# Allegro board MB1219_REVB_160112.brd (continued)
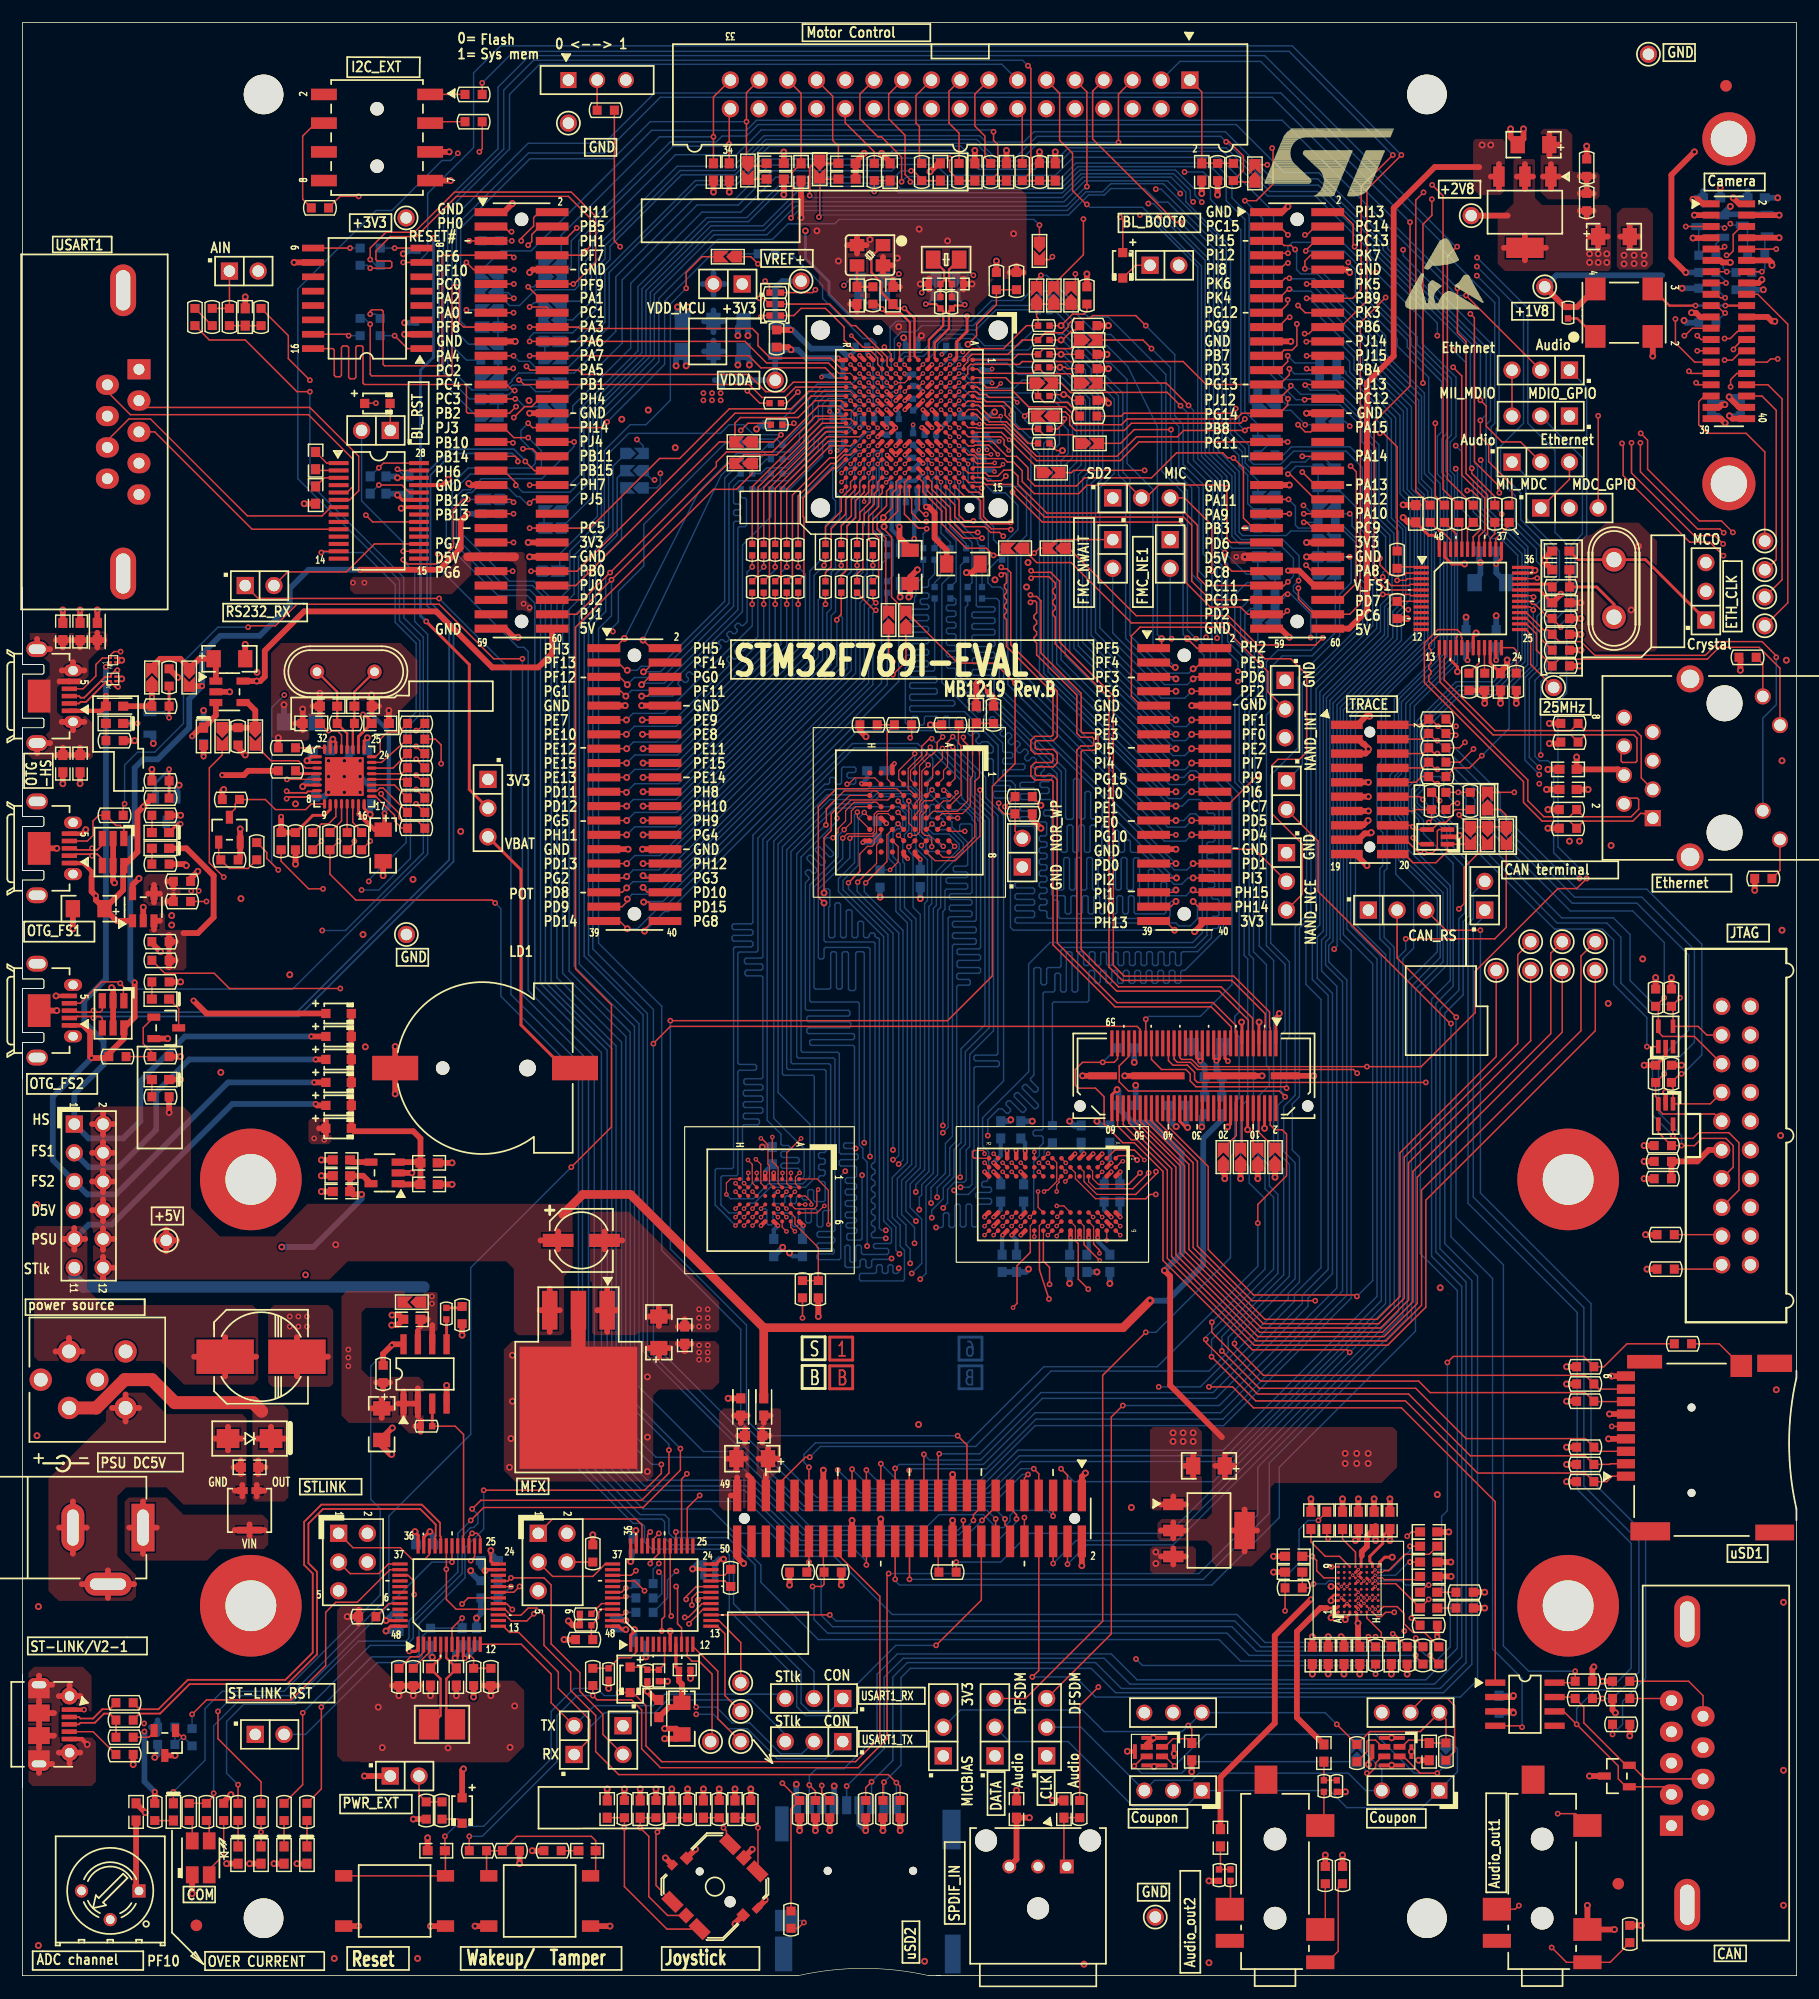
[diagram p0: board, top side]
## Footprints (pads in the part's own frame, mm; a bottom-side part is the same pattern mirrored in y, then rotated) (continued)
BNX001
  round 1.981 hole 1.219: 1(2.5,2.5) 2(-2.5,2.5) 3(2.5,-2.5) 4(0,0) 5(5,0) 6(-2.5,-2.5)
C310M-6
  rect 5.08x3.048 smd: 1(3.175,0) 2(-3.175,0)
CAE_5R3X5R3_H5R4
  rect 2.718x1.168 smd: 1(-2.05,0) 2(2.05,0)
CLM-120-02-L-D
  rect 0.61x1.499 smd: 1(-9.5,-1.57) 2(-9.5,1.57) 3(-8.5,-1.57) 4(-8.5,1.57) 5(-7.5,-1.57) 6(-7.5,1.57) 7(-6.5,-1.57) 8(-6.5,1.57) 9(-5.5,-1.57) 10(-5.5,1.57) 11(-4.5,-1.57) 12(-4.5,1.57) 13(-3.5,-1.57) 14(-3.5,1.57) 15(-2.5,-1.57) 16(-2.5,1.57) 17(-1.5,-1.57) 18(-1.5,1.57) 19(-0.5,-1.57) 20(-0.5,1.57) 21(0.5,-1.57) 22(0.5,1.57) 23(1.5,-1.57) 24(1.5,1.57) 25(2.5,-1.57) 26(2.5,1.57) 27(3.5,-1.57) 28(3.5,1.57) 29(4.5,-1.57) 30(4.5,1.57) 31(5.5,-1.57) 32(5.5,1.57) 33(6.5,-1.57) 34(6.5,1.57) 35(7.5,-1.57) 36(7.5,1.57) 37(8.5,-1.57) 38(8.5,1.57) 39(9.5,-1.57) 40(9.5,1.57)
  round 4.699 hole 3.2: 41(-15.249,0) 42(15.25,0)
CONN_DLR11H0
  round 1.956 hole 1.956 unplated: (-7.14,2.3) (-2.54,-3.7) (2.06,2.3)
  rect 1.219x1.219 hole 0.813: 1(0,0)
  round 1.219 hole 0.813: 2(-2.54,0) 3(-5.08,0)
COUPON
  rect 1.422x1.422 hole 1.016: 1(-3.444,-2.54)
  round 1.422 hole 1.016: 2(-3.444,0) 3(-3.444,2.54) 4(3.447,-2.54) 5(3.447,0) 6(3.447,2.54)
DB9_M
  rect 1.778x2.032 hole 0.965: 1(5.537,0)
  oval 1.778x2.032 hole 0.965: 2(2.769,0) 3(0,0) 4(-2.769,0) 5(-5.537,0) 6(4.166,2.794) 7(1.397,2.794) 8(-1.372,2.794) 9(-4.14,2.794)
  oval 4.572x2.286 hole 3.556x1.27: 10(-12.522,1.397) 11(12.522,1.397)
FBGA64_1_11X13
  round 0.457 smd: A1(-3.5,3.5) A2(-2.5,3.5) A3(-1.5,3.5) A4(-0.5,3.5) A5(0.5,3.5) A6(1.5,3.5) A7(2.5,3.5) A8(3.5,3.5) B1(-3.5,2.5) B2(-2.5,2.5) B3(-1.5,2.5) B4(-0.5,2.5) B5(0.5,2.5) B6(1.5,2.5) B7(2.5,2.5) B8(3.5,2.5) C1(-3.5,1.5) C2(-2.5,1.5) C3(-1.5,1.5) C4(-0.5,1.5) C5(0.5,1.5) C6(1.5,1.5) C7(2.5,1.5) C8(3.5,1.5) D1(-3.5,0.5) D2(-2.5,0.5) D3(-1.5,0.5) D4(-0.5,0.5) D5(0.5,0.5) D6(1.5,0.5) D7(2.5,0.5) D8(3.5,0.5) E1(-3.5,-0.5) E2(-2.5,-0.5) E3(-1.5,-0.5) E4(-0.5,-0.5) E5(0.5,-0.5) E6(1.5,-0.5) E7(2.5,-0.5) E8(3.5,-0.5) F1(-3.5,-1.5) F2(-2.5,-1.5) F3(-1.5,-1.5) F4(-0.5,-1.5) F5(0.5,-1.5) F6(1.5,-1.5) F7(2.5,-1.5) F8(3.5,-1.5) G1(-3.5,-2.5) G2(-2.5,-2.5) G3(-1.5,-2.5) G4(-0.5,-2.5) G5(0.5,-2.5) G6(1.5,-2.5) G7(2.5,-2.5) G8(3.5,-2.5) H1(-3.5,-3.5) H2(-2.5,-3.5) H3(-1.5,-3.5) H4(-0.5,-3.5) H5(0.5,-3.5) H6(1.5,-3.5) H7(2.5,-3.5) H8(3.5,-3.5)
FBGA90_0R8_8X13
  round 0.406 smd: A1(-3.2,5.6) A2(-2.4,5.6) A3(-1.6,5.6) A7(1.6,5.6) A8(2.4,5.6) A9(3.2,5.6) B1(-3.2,4.8) B2(-2.4,4.8) B3(-1.6,4.8) B7(1.6,4.8) B8(2.4,4.8) B9(3.2,4.8) C1(-3.2,4) C2(-2.4,4) C3(-1.6,4) C7(1.6,4) C8(2.4,4) C9(3.2,4) D1(-3.2,3.2) D2(-2.4,3.2) D3(-1.6,3.2) D7(1.6,3.2) D8(2.4,3.2) D9(3.2,3.2) E1(-3.2,2.4) E2(-2.4,2.4) E3(-1.6,2.4) E7(1.6,2.4) E8(2.4,2.4) E9(3.2,2.4) F1(-3.2,1.6) F2(-2.4,1.6) F3(-1.6,1.6) F7(1.6,1.6) F8(2.4,1.6) F9(3.2,1.6) G1(-3.2,0.8) G2(-2.4,0.8) G3(-1.6,0.8) G7(1.6,0.8) G8(2.4,0.8) G9(3.2,0.8) H1(-3.2,0) H2(-2.4,0) H3(-1.6,0) H7(1.6,0) H8(2.4,0) H9(3.2,0) J1(-3.2,-0.8) J2(-2.4,-0.8) J3(-1.6,-0.8) J7(1.6,-0.8) J8(2.4,-0.8) J9(3.2,-0.8) K1(-3.2,-1.6) K2(-2.4,-1.6) K3(-1.6,-1.6) K7(1.6,-1.6) K8(2.4,-1.6) K9(3.2,-1.6) L1(-3.2,-2.4) L2(-2.4,-2.4) L3(-1.6,-2.4) L7(1.6,-2.4) L8(2.4,-2.4) L9(3.2,-2.4) M1(-3.2,-3.2) M2(-2.4,-3.2) M3(-1.6,-3.2) M7(1.6,-3.2) M8(2.4,-3.2) M9(3.2,-3.2) N1(-3.2,-4) N2(-2.4,-4) N3(-1.6,-4) N7(1.6,-4) N8(2.4,-4) N9(3.2,-4) P1(-3.2,-4.8) P2(-2.4,-4.8) P3(-1.6,-4.8) P7(1.6,-4.8) P8(2.4,-4.8) P9(3.2,-4.8) R1(-3.2,-5.6) R2(-2.4,-5.6) R3(-1.6,-5.6) R7(1.6,-5.6) R8(2.4,-5.6) R9(3.2,-5.6)
FTR-120-53-L-D-LC
  round 1.194 hole 1.194 unplated: (-11.43,0) (11.43,0)
  rect 0.711x2.896 smd: 1(-12.065,-2.705) 2(-12.065,2.705) 3(-10.795,-2.705) 4(-10.795,2.705) 5(-9.525,-2.705) 6(-9.525,2.705) 7(-8.255,-2.705) 8(-8.255,2.705) 9(-6.985,-2.705) 10(-6.985,2.705) 11(-5.715,-2.705) 12(-5.715,2.705) 13(-4.445,-2.705) 14(-4.445,2.705) 15(-3.175,-2.705) 16(-3.175,2.705) 17(-1.905,-2.705) 18(-1.905,2.705) 19(-0.635,-2.705) 20(-0.635,2.705) 21(0.635,-2.705) 22(0.635,2.705) 23(1.905,-2.705) 24(1.905,2.705) 25(3.175,-2.705) 26(3.175,2.705) 27(4.445,-2.705) 28(4.445,2.705) 29(5.715,-2.705) 30(5.715,2.705) 31(6.985,-2.705) 32(6.985,2.705) 33(8.255,-2.705) 34(8.255,2.705) 35(9.525,-2.705) 36(9.525,2.705) 37(10.795,-2.705) 38(10.795,2.705) 39(12.065,-2.705) 40(12.065,2.705)
FTR-130-53-L-D-LC
  round 1.194 hole 1.194 unplated: (-17.78,0) (17.78,0)
  rect 0.711x2.896 smd: 1(-18.415,-2.705) 2(-18.415,2.705) 3(-17.145,-2.705) 4(-17.145,2.705) 5(-15.875,-2.705) 6(-15.875,2.705) 7(-14.605,-2.705) 8(-14.605,2.705) 9(-13.335,-2.705) 10(-13.335,2.705) 11(-12.065,-2.705) 12(-12.065,2.705) 13(-10.795,-2.705) 14(-10.795,2.705) 15(-9.525,-2.705) 16(-9.525,2.705) 17(-8.255,-2.705) 18(-8.255,2.705) 19(-6.985,-2.705) 20(-6.985,2.705) 21(-5.715,-2.705) 22(-5.715,2.705) 23(-4.445,-2.705) 24(-4.445,2.705) 25(-3.175,-2.705) 26(-3.175,2.705) 27(-1.905,-2.705) 28(-1.905,2.705) 29(-0.635,-2.705) 30(-0.635,2.705) 31(0.635,-2.705) 32(0.635,2.705) 33(1.905,-2.705) 34(1.905,2.705) 35(3.175,-2.705) 36(3.175,2.705) 37(4.445,-2.705) 38(4.445,2.705) 39(5.715,-2.705) 40(5.715,2.705) 41(6.985,-2.705) 42(6.985,2.705) 43(8.255,-2.705) 44(8.255,2.705) 45(9.525,-2.705) 46(9.525,2.705) 47(10.795,-2.705) 48(10.795,2.705) 49(12.065,-2.705) 50(12.065,2.705) 51(13.335,-2.705) 52(13.335,2.705) 53(14.605,-2.705) 54(14.605,2.705) 55(15.875,-2.705) 56(15.875,2.705) 57(17.145,-2.705) 58(17.145,2.705) 59(18.415,-2.705) 60(18.415,2.705)
FTSH-110-01-L-DV
  round 0.965 hole 0.965 unplated: (-5.08,0) (5.08,0)
  rect 0.737x2.794 smd: 1(-5.715,-2.03) 2(-5.715,2.03) 3(-4.445,-2.03) 4(-4.445,2.03) 5(-3.175,-2.03) 6(-3.175,2.03) 7(-1.905,-2.03) 8(-1.905,2.03) 9(-0.635,-2.03) 10(-0.635,2.03) 11(0.635,-2.03) 12(0.635,2.03) 13(1.905,-2.03) 14(1.905,2.03) 15(3.175,-2.03) 16(3.175,2.03) 17(4.445,-2.03) 18(4.445,2.03) 19(5.715,-2.03) 20(5.715,2.03)
FTSH-125-01-F-DV
  round 0.965 hole 0.965 unplated: (-14.605,0) (14.605,0)
  rect 0.737x2.794 smd: 1(-15.24,-2.03) 2(-15.24,2.03) 3(-13.97,-2.03) 4(-13.97,2.03) 5(-12.7,-2.03) 6(-12.7,2.03) 7(-11.43,-2.03) 8(-11.43,2.03) 9(-10.16,-2.03) 10(-10.16,2.03) 11(-8.89,-2.03) 12(-8.89,2.03) 13(-7.62,-2.03) 14(-7.62,2.03) 15(-6.35,-2.03) 16(-6.35,2.03) 17(-5.08,-2.03) 18(-5.08,2.03) 19(-3.81,-2.03) 20(-3.81,2.03) 21(-2.54,-2.03) 22(-2.54,2.03) 23(-1.27,-2.03) 24(-1.27,2.03) 25(0,-2.03) 26(0,2.03) 27(1.27,-2.03) 28(1.27,2.03) 29(2.54,-2.03) 30(2.54,2.03) 31(3.81,-2.03) 32(3.81,2.03) 33(5.08,-2.03) 34(5.08,2.03) 35(6.35,-2.03) 36(6.35,2.03) 37(7.62,-2.03) 38(7.62,2.03) 39(8.89,-2.03) 40(8.89,2.03) 41(10.16,-2.03) 42(10.16,2.03) 43(11.43,-2.03) 44(11.43,2.03) 45(12.7,-2.03) 46(12.7,2.03) 47(13.97,-2.03) 48(13.97,2.03) 49(15.24,-2.03) 50(15.24,2.03)
HDR_2X3-1_2R54-6
  rect 1.524x1.524 hole 1.016: 1(0,0)
  round 1.524 hole 1.016: 2(0,2.54) 3(2.54,0) 4(2.54,2.54) 5(5.08,0)
HDR_2X6_2R54
  rect 1.524x1.524 hole 1.016: 1(0,0)
  round 1.524 hole 1.016: 2(0,2.54) 3(2.54,0) 4(2.54,2.54) 5(5.08,0) 6(5.08,2.54) 7(7.62,0) 8(7.62,2.54) 9(10.16,0) 10(10.16,2.54) 11(12.7,0) 12(12.7,2.54)
HOLE_C9D4R5
  round 8.992 hole 4.496: 1(0,0)
IDC20S
  round 1.524 hole 1.016: 1(0,0) 2(2.54,0) 3(0,-2.54) 4(2.54,-2.54) 5(0,-5.08) 6(2.54,-5.08) 7(0,-7.62) 8(2.54,-7.62) 9(0,-10.16) 10(2.54,-10.16) 11(0,-12.7) 12(2.54,-12.7) 13(0,-15.24) 14(2.54,-15.24) 15(0,-17.78) 16(2.54,-17.78) 17(0,-20.32) 18(2.54,-20.32) 19(0,-22.86) 20(2.54,-22.86)
IDC34S
  rect 1.524x1.524 hole 1.016: 1(0,0)
  round 1.524 hole 1.016: 2(2.54,0) 3(0,-2.54) 4(2.54,-2.54) 5(0,-5.08) 6(2.54,-5.08) 7(0,-7.62) 8(2.54,-7.62) 9(0,-10.16) 10(2.54,-10.16) 11(0,-12.7) 12(2.54,-12.7) 13(0,-15.24) 14(2.54,-15.24) 15(0,-17.78) 16(2.54,-17.78) 17(0,-20.32) 18(2.54,-20.32) 19(0,-22.86) 20(2.54,-22.86) 21(0,-25.4) 22(2.54,-25.4) 23(0,-27.94) 24(2.54,-27.94) 25(0,-30.48) 26(2.54,-30.48) 27(0,-33.02) 28(2.54,-33.02) 29(0,-35.56) 30(2.54,-35.56) 31(0,-38.1) 32(2.54,-38.1) 33(0,-40.64) 34(2.54,-40.64)
LED2_3528
  rect 1.118x1.499 smd: 1(-0.75,-1.5) 2(-0.75,1.5) 3(0.75,1.5) 4(0.75,-1.5)
LQFP48_0R5_9X9
  rect 1.346x0.279 smd: 1(-4.35,2.75) 2(-4.35,2.25) 3(-4.35,1.75) 4(-4.35,1.25) 5(-4.35,0.75) 6(-4.35,0.25) 7(-4.35,-0.25) 8(-4.35,-0.75) 9(-4.35,-1.25) 10(-4.35,-1.75) 11(-4.35,-2.25) 12(-4.35,-2.75) 25(4.35,-2.75) 26(4.35,-2.25) 27(4.35,-1.75) 28(4.35,-1.25) 29(4.35,-0.75) 30(4.35,-0.25) 31(4.35,0.25) 32(4.35,0.75) 33(4.35,1.25) 34(4.35,1.75) 35(4.35,2.25) 36(4.35,2.75)
  rect 0.279x1.346 smd: 13(-2.75,-4.35) 14(-2.25,-4.35) 15(-1.75,-4.35) 16(-1.25,-4.35) 17(-0.75,-4.35) 18(-0.25,-4.35) 19(0.25,-4.35) 20(0.75,-4.35) 21(1.25,-4.35) 22(1.75,-4.35) 23(2.25,-4.35) 24(2.75,-4.35) 37(2.75,4.35) 38(2.25,4.35) 39(1.75,4.35) 40(1.25,4.35) 41(0.75,4.35) 42(0.25,4.35) 43(-0.25,4.35) 44(-0.75,4.35) 45(-1.25,4.35) 46(-1.75,4.35) 47(-2.25,4.35) 48(-2.75,4.35)
MICRO_USB_B_105017
  rect 0.406x1.346 smd: 1(-1.3,0.075) 2(-0.65,0.075) 3(0,0.075) 4(0.65,0.075) 5(1.3,0.075)
  oval 1.194x1.905 hole 0.61x1.295: 6(-3.5,-2.6) 7(3.5,-2.6)
  round 1.499 hole 0.838: 8(-2.5,0.1) 9(2.5,0.1)
  rect 1.499x1.905 smd: 10(-1,-2.6) 11(1,-2.6)
MOLEX_47590001
  rect 0.406x1.346 smd: 1(1.3,0) 2(0.65,0) 3(0,0) 4(-0.65,0) 5(-1.3,0)
  oval 1.067x1.6 hole 0.762x0.838: 6(2.275,0.325) 7(-2.275,0.325)
  oval 1.397x1.905 hole 0.838x1.499: 8(-4.15,-2.855) 9(4.15,-2.855)
  rect 2.896x2.007 smd: 10(0,-2.675)
MP34DT01TR
  rect 0.508x1.067 smd: 1(-0.425,0.675) 2(-0.425,-0.675) 3(0.425,-0.675) 4(0.425,0.675)
  round 0.152 smd: 5(-0.025,-1.753)
MSD_PJS008_
  round 0.711 hole 0.711 unplated: (0,0) (7.55,0)
  rect 0.813x1.6 smd: 1(1.475,5.8) 2(2.575,5.8) 3(3.675,5.8) 4(4.775,5.8) 5(5.875,5.8) 6(6.975,5.8) 7(8.075,5.8) 8(9.175,5.8)
  rect 0.838x1.6 smd: 9(10.325,5.8)
  rect 1.956x1.905 smd: 10(11.225,-4.4)
  rect 1.524x3.073 smd: 11(11.45,-7.35)
  rect 1.397x3.429 smd: 12(-3.503,-7.357)
  rect 1.6x3.505 smd: 13(-3.4,3.65)
  rect 1.194x3.099 smd: 14(11.6,4.15)
OSC_4SM_7X5
  rect 1.803x2.007 smd: 1(-2.54,-2.1) 2(2.54,-2.1) 3(2.54,2.1) 4(-2.54,2.1)
PB10
  rect 1.524x1.016 smd: 1(-4.5,-2.223) 2(-4.5,2.223) 3(4.5,2.223) 4(4.5,-2.223)
PJ3028B
  round 2.007 hole 2.007 unplated: (0,0) (7,0)
  rect 1.219x2.489 smd: 2(-3.9,-4) 7(-2,4)
  rect 2.007x2.489 smd: 3(-1,-4) 4(0.8,4) 6(8.2,-4)
  rect 2.489x2.007 smd: 5(12.25,0.8)
PWR_JACK_DC10
  rect 2.032x4.216 hole 1.016x3.2: 1(0,0)
  oval 4.216x2.032 hole 3.2x1.016: 2(-3.1,-5)
  oval 2.032x4.216 hole 1.016x3.2: 3(-6.2,0)
QFN32_0R5_5X5
  oval 0.864x0.279 smd: 1(-2.42,1.75) 2(-2.42,1.25) 3(-2.42,0.75) 4(-2.42,0.25) 5(-2.42,-0.25) 6(-2.42,-0.75) 7(-2.42,-1.25) 8(-2.42,-1.75) 17(2.42,-1.75) 18(2.42,-1.25) 19(2.42,-0.75) 20(2.42,-0.25) 21(2.42,0.25) 22(2.42,0.75) 23(2.42,1.25) 24(2.42,1.75)
  oval 0.279x0.864 smd: 9(-1.75,-2.42) 10(-1.25,-2.42) 11(-0.75,-2.42) 12(-0.25,-2.42) 13(0.25,-2.42) 14(0.75,-2.42) 15(1.25,-2.42) 16(1.75,-2.42) 25(1.75,2.42) 26(1.25,2.42) 27(0.75,2.42) 28(0.25,2.42) 29(-0.25,2.42) 30(-0.75,2.42) 31(-1.25,2.42) 32(-1.75,2.42)
  rect 3.429x3.429 smd: 33(0,0)
QSH-030-01-F-D-A
  round 1.016 hole 1.016 unplated: (-10.065,2.67) (10.065,2.67)
  rect 0.279x2.286 smd: 1(-7.25,-2.87) 2(-7.25,2.87) 3(-6.75,-2.87) 4(-6.75,2.87) 5(-6.25,-2.87) 6(-6.25,2.87) 7(-5.75,-2.87) 8(-5.75,2.87) 9(-5.25,-2.87) 10(-5.25,2.87) 11(-4.75,-2.87) 12(-4.75,2.87) 13(-4.25,-2.87) 14(-4.25,2.87) 15(-3.75,-2.87) 16(-3.75,2.87) 17(-3.25,-2.87) 18(-3.25,2.87) 19(-2.75,-2.87) 20(-2.75,2.87) 21(-2.25,-2.87) 22(-2.25,2.87) 23(-1.75,-2.87) 24(-1.75,2.87) 25(-1.25,-2.87) 26(-1.25,2.87) 27(-0.75,-2.87) 28(-0.75,2.87) 29(-0.25,-2.87) 30(-0.25,2.87) 31(0.25,-2.87) 32(0.25,2.87) 33(0.75,-2.87) 34(0.75,2.87) 35(1.25,-2.87) 36(1.25,2.87) 37(1.75,-2.87) 38(1.75,2.87) 39(2.25,-2.87) 40(2.25,2.87) 41(2.75,-2.87) 42(2.75,2.87) 43(3.25,-2.87) 44(3.25,2.87) 45(3.75,-2.87) 46(3.75,2.87) 47(4.25,-2.87) 48(4.25,2.87) 49(4.75,-2.87) 50(4.75,2.87) 51(5.25,-2.87) 52(5.25,2.87) 53(5.75,-2.87) 54(5.75,2.87) 55(6.25,-2.87) 56(6.25,2.87) 57(6.75,-2.87) 58(6.75,2.87) 59(7.25,-2.87) 60(7.25,2.87)
  rect 2.54x0.635 smd: 61(-8.065,0) 64(8.065,0)
  rect 4.699x0.635 smd: 62(-3.175,0) 63(3.175,0)
RJ45_J0011D01BNL
  round 3.175 hole 3.175 unplated: (-10.16,6.35) (1.27,6.35)
  rect 1.422x1.422 hole 1.016: 1(0,0)
  round 1.422 hole 1.016: 2(-1.27,-2.54) 3(-2.54,0) 4(-3.81,-2.54) 5(-5.08,0) 6(-6.35,-2.54) 7(-7.62,0) 8(-8.89,-2.54) 9(1.88,11.25) 10(-0.66,9.73) 11(-8.23,11.25) 12(-10.77,9.73)
  round 2.388 hole 1.626: 13(-12.32,3.3) 14(3.43,3.3)
SB_0603
  round 0.152 smd: 1(-0.762,0) 2(0.762,0)
SIP2
  rect 1.524x1.524 hole 1.016: 1(0,0)
  round 1.524 hole 1.016: 2(2.54,0)
SIP3
  rect 1.524x1.524 hole 1.016: 1(0,0)
  round 1.524 hole 1.016: 2(2.54,0) 3(5.08,0)
SMA
  rect 2.007x1.676 smd: 1(-1.9,0) 2(1.9,0)
SOD-323
  rect 0.813x0.813 smd: 1(-1.125,0) 2(1.125,0)
SOIC8_1R27_4R9X6
  rect 0.559x1.778 smd: 1(-1.905,-2.624) 2(-0.635,-2.624) 3(0.635,-2.624) 4(1.905,-2.624) 5(1.905,2.624) 6(0.635,2.624) 7(-0.635,2.624) 8(-1.905,2.624)
SOIC16W_1R27_10R3X10R33
  rect 0.584x1.956 smd: 1(-4.445,-4.795) 2(-3.175,-4.795) 3(-1.905,-4.795) 4(-0.635,-4.795) 5(0.635,-4.795) 6(1.905,-4.795) 7(3.175,-4.795) 8(4.445,-4.795) 9(4.445,4.795) 10(3.175,4.795) 11(1.905,4.795) 12(0.635,4.795) 13(-0.635,4.795) 14(-1.905,4.795) 15(-3.175,4.795) 16(-4.445,4.795)
SOT23-5
  rect 0.635x1.143 smd: 1(-0.95,-1.2) 2(0,-1.2) 3(0.95,-1.2) 4(0.95,1.2) 5(-0.95,1.2)
SOT23-6
  rect 0.635x1.346 smd: 1(-0.95,-1.2) 2(0,-1.2) 3(0.95,-1.2) 4(0.95,1.2) 5(0,1.2) 6(-0.95,1.2)
SOT-23
  rect 0.635x1.143 smd: 1(-0.95,-1.1) 2(0.95,-1.1) 3(0,1.1)
SOT-223
  rect 1.016x1.803 smd: 1(-2.3,-3.15) 2(0,-3.15) 3(2.3,-3.15)
  rect 3.302x1.803 smd: 4(0,3.15)
SOT-353
  rect 0.406x1.194 smd: 1(-0.65,-0.9) 2(0,-0.9) 3(0.65,-0.9) 4(0.65,0.9) 5(-0.65,0.9)
SSM-104-L-DH
  round 1.194 hole 1.194 unplated: (-2.54,0) (2.54,0)
  rect 1.016x2.286 smd: 1(3.81,-4.698) 2(3.81,4.698) 3(1.27,-4.698) 4(1.27,4.698) 5(-1.27,-4.698) 6(-1.27,4.698) 7(-3.81,-4.698) 8(-3.81,4.698)
SSOP28_0R65_10R2X7R8
  rect 0.356x1.753 smd: 1(-4.225,-3.55) 2(-3.575,-3.55) 3(-2.925,-3.55) 4(-2.275,-3.55) 5(-1.625,-3.55) 6(-0.975,-3.55) 7(-0.325,-3.55) 8(0.325,-3.55) 9(0.975,-3.55) 10(1.625,-3.55) 11(2.275,-3.55) 12(2.925,-3.55) 13(3.575,-3.55) 14(4.225,-3.55) 15(4.225,3.55) 16(3.575,3.55) 17(2.925,3.55) 18(2.275,3.55) 19(1.625,3.55) 20(0.975,3.55) 21(0.325,3.55) 22(-0.325,3.55) 23(-0.975,3.55) 24(-1.625,3.55) 25(-2.275,3.55) 26(-2.925,3.55) 27(-3.575,3.55) 28(-4.225,3.55)
SW1_3TH_2R54_10X2R5
  rect 1.422x1.422 hole 1.016: 1(0,0)
  round 1.422 hole 1.016: 2(2.54,0) 3(5.08,0)
SW-JOY
  round 0.711 hole 0.711 unplated: (0,1.9)
  round 0.991 hole 0.991 unplated: (0,-1.9)
  rect 1.016x1.778 smd: 1(-3.608,1.7) 3(-3.608,-1.7) 4(3.608,-1.7) 6(3.608,1.7)
  rect 1.016x1.016 smd: 2(-3.608,0) 5(3.608,0)
  rect 0.813x0.914 smd: 7(0,3.55) 8(0,-3.55)
  rect 0.813x0.61 smd: 9(-1.3,4) 10(1.3,-4)
TAN-A
  rect 1.27x1.524 smd: 1(1.397,0) 2(-1.397,0)
TO263-3
  rect 1.372x3.429 smd: 1(-2.54,-5) 2(0,-5) 3(2.54,-5)
  rect 10.414x10.795 smd: 4(0,3.625)
TP
  round 1.524 hole 1.016: 1(0,0)
TYCO_ZEN056V130A24LS
  rect 0.61x2.21 smd: 1(-1.745,0)
  rect 0.61x0.94 smd: 2(1.745,0.635) 3(1.745,-0.635)
unnamed#2
  round 1.016 smd: (0,0)
unnamed#3
  round 3.505 hole 3.505 unplated: (0,0)
XTAL1
  round 1.27 hole 0.762: 1(0,0) 2(-5.08,0)
XTAL_2SM_3R2X1R5
  rect 1.295x1.6 smd: 1(-1.15,0) 2(1.15,0)
XTAL_2SM_3R2X2R5_H1
  rect 1.803x2.692 smd: 1(-1.15,0) 2(1.15,0)
XTAL_4SM_3R2X2R5
  rect 1.295x1.092 smd: 1(-1.148,-0.896) 2(1.148,-0.896) 3(1.148,0.896) 4(-1.148,0.896)
XTAL_SOCKET
  round 2.108 hole 1.346: 1(0,0) 2(-5.08,0)

## Nets
+1V8: C61.1 C66.1 C68.1 C80.1 C101.1 C102.2 C152.1 CN4.1 CN4.2 CN15.60 R25.2 R236.2 R239.2 TP6.1 U19.2 U19.4 U20.D1 U20.D8 U20.G9 X3.4
+2V8: C19.1 C116.1 C117.1 CN4.39 CN4.40 R15.1 R234.2 R235.2 T4.1 T5.1 TP3.1 U2.2 U2.4
+3V3: B2.1 B2.4 C27.1 C32.2 C36.2 C44.2 C45.2 C55.1 C56.1 C67.1 C77.1 C78.1 C79.1 C95.2 C97.1 C105.1 C132.1 C142.1 C143.1 C144.1 C145.1 C146.1 C147.1 C148.1 C151.1 C153.1 C154.1 C155.1 C156.1 C157.1 C158.1 C159.1 C160.1 C161.1 C162.1 C163.1 C164.1 C165.1 C166.1 C167.1 C168.1 C170.2 C172.1 C173.2 C175.2 C178.2 C179.1 CN1.28 CN2.5 CN5.48 CN6.48 CN9.4 CN9.5 CN11.40 CN12.1 CN15.36 CN16.1 CN16.2 CN17.4 CN18.50 CN29.3 CN30.4 JP2.1 JP15.1 JP22.3 L6.1 LD1.1 LD2.1 LD3.1 LD4.1 R13.2 R17.2 R72.1 R73.2 R74.2 R75.2 R76.2 R77.2 R79.2 R80.2 R83.1 R87.1 R88.2 R90.2 R94.2 R95.1 R112.1 R114.2 R116.2 R118.1 R120.1 R126.1 R127.2 R128.2 R131.1 R133.2 R134.2 R135.2 R139.2 R141.2 R142.2 R147.2 R151.2 R153.1 R154.1 R156.1 R157.1 R158.1 R159.1 R160.1 R161.1 R170.2 R171.2 R173.1 R177.2 R180.1 R184.1 R189.2 R195.1 R196.1 R197.1 R198.1 R199.1 R200.2 R201.1 R202.1 R203.1 R204.1 R205.1 R219.1 R230.1 R233.1 R288.2 R289.2 R290.2 RV1.1 SW1.1 T1.2 TP4.1 U3.2 U5.22 U5.26 U6.22 U6.32 U6.48 U8.6 U8.16 U8.25 U8.30 U8.31 U9.D8 U9.F1 U9.G5 U15.A7 U15.B2 U15.B7 U15.C9 U15.D9 U15.E1 U15.F9 U15.L1 U15.L7 U15.M9 U15.N9 U15.P2 U15.P7 U15.R7 U16.A6 U16.D6 U16.E1 U18.2 U18.4 U19.3 U20.B2 U20.C2 U20.D2 U20.E9 U22.1 U22.24 U22.36 U22.48 U23.3
+3V3_ST_LINK: C50.2 C52.1 C169.2 C171.2 C174.2 C176.2 CN20.4 JP27.1 R212.2 R292.1 R297.2 T3.3 U14.5 U21.1 U21.9 U21.24 U21.36 U21.48
+5V: C53.1 CN1.25 CN5.60 CN6.60 D16.1 JP20.2 JP20.4 JP20.6 JP20.8 JP20.10 JP20.12 L5.1 L8.1 R140.2 TP21.1 U2.3 U7.5 U11.5 U18.3
D5V: CN5.49 CN6.49 D6.1 JP20.7
GND: B1.1 B1.4 B3.5 B3.7 B3.8 B3.9 B3.10 BT1.2 C5.2 C6.1 C7.1 C8.1 C9.1 C10.1 C11.2 C12.1 C13.1 C14.1 C15.2 C16.1 C17.2 C18.1 C19.2 C20.2 C21.2 C22.2 C23.2 C24.1 C26.1 C27.2 C28.2 C29.2 C30.2 C31.1 C32.1 C33.2 C34.2 C35.2 C36.1 C37.2 C38.2 C39.2 C40.2 C41.2 C42.2 C43.2 C44.1 C45.1 C46.2 C47.2 C48.1 C49.1 C50.1 C51.1 C52.2 C53.2 C54.1 C55.2 C56.2 C57.2 C58.2 C61.2 C63.1 C65.2 C66.2 C67.2 C68.2 C69.2 C71.1 C72.2 C73.1 C74.2 C77.2 C78.2 C79.2 C80.2 C81.2 C82.1 C83.1 C84.2 C85.2 C86.2 C87.2 C88.2 C90.1 C91.1 C92.1 C93.1 C94.1 C95.1 C96.2 C97.2 C99.1 C101.2 C102.1 C103.2 C104.2 C105.2 C106.2 C107.2 C108.1 C109.2 C110.2 C111.2 C112.1 C113.2 C114.2 C115.2 C116.2 C117.2 C118.2 C119.2 C120.2 C121.2 C122.2 C123.2 C124.2 C125.2 C126.2 C127.2 C128.2 C129.2 C130.2 C131.1 C132.2 C134.2 C135.2 C136.1 C137.2 C138.2 C139.2 C140.1 C141.2 C142.2 C143.2 C144.2 C145.2 C146.2 C147.2 C148.2 C151.2 C152.2 C153.2 C154.2 C155.2 C156.2 C157.2 C158.2 C159.2 C160.2 C161.2 C162.2 C163.2 C164.2 C165.2 C166.2 C167.2 C168.2 C169.1 C170.1 C171.1 C172.2 C173.1 C174.1 C175.1 C176.1 C177.1 C178.1 C179.2 CN1.2 CN1.4 CN1.6 CN1.8 CN1.10 CN1.12 CN1.16 CN1.18 CN1.20 CN1.22 CN1.24 CN1.30 CN1.32 CN2.7 CN3.2 CN4.3 CN4.4 CN4.7 CN4.8 CN4.11 CN4.12 CN4.16 CN4.21 CN4.22 CN4.37 CN4.38 CN4.41 CN4.42 CN5.1 CN5.10 CN5.19 CN5.30 CN5.39 CN5.50 CN5.59 CN6.1 CN6.10 CN6.19 CN6.30 CN6.39 CN6.50 CN6.59 CN7.5 CN7.10 CN7.11 CN9.8 CN9.13 CN9.14 CN10.9 CN10.10 CN10.29 CN10.30 CN11.10 CN11.29 CN12.3 CN12.5 CN12.9 CN12.11 CN12.13 CN12.15 CN12.17 CN12.19 CN13.5 CN13.6 CN13.7 CN13.8 CN13.9 CN13.10 CN14.5 CN14.6 CN14.7 CN14.8 CN14.9 CN14.10 CN15.1 CN15.6 CN15.7 CN15.12 CN15.13 CN15.18 CN15.19 CN15.61 CN15.62 CN15.63 CN15.64 CN16.4 CN16.6 CN16.8 CN16.10 CN16.12 CN16.14 CN16.16 CN16.18 CN16.20 CN17.6 CN17.9 CN18.1 CN18.2 CN18.19 CN18.20 CN18.30 CN18.34 CN18.37 CN20.2 CN21.2 CN22.5 CN22.6 CN22.7 CN22.8 CN22.9 CN22.10 CN22.11 CN24.2 CN24.5 CN25.2 CN26.3 CN26.6 CN26.10 CN26.11 CN28.3 CN29.2 CN30.6 CN30.9 D3.B1 D3.B2 D4.B1 D4.B2 D5.2 D5.5 D7.2 D7.5 D15.3 H1.1 H2.1 H3.1 H4.1 JP13.1 JP16.1 JP17.1 JP19.1 JP25.1 JP28.1 L1.1 L3.4 L3.5 L3.6 L4.1 L9.1 LD10.2 LD12.1 R6.2 R12.2 R18.2 R21.1 R32.1 R36.1 R38.1 R40.1 R78.1 R81.1 R92.1 R96.1 R103.1 R108.1 R129.1 R137.1 R138.1 R143.1 R144.1 R145.1 R149.1 R165.2 R166.2 R167.2 R168.1 R169.2 R176.1 R178.1 R179.1 R181.1 R183.2 R186.1 R194.2 R207.2 R218.2 R220.1 R222.2 R223.2 R225.1 R253.1 R295.1 R300.1 R301.2 RV1.3 SB29.2 SB30.2 SB31.2 SB32.2 SW1.3 T2.2 T6.2 T7.2 TP1.1 TP2.1 TP13.1 TP26.1 U3.10 U4.F2 U4.F6 U4.F7 U4.F8 U4.F9 U4.F10 U4.G6 U4.G10 U4.G12 U4.H6 U4.H10 U4.J6 U4.J10 U4.K6 U4.K7 U4.K8 U4.K9 U4.K10 U4.L6 U4.M1 U4.N1 U5.23 U5.25 U6.15 U6.19 U6.35 U6.36 U6.47 U7.2 U8.1 U8.2 U8.33 U9.E8 U9.H2 U9.H7 U10.2 U11.2 U12.2 U13.2 U14.2 U15.A3 U15.B3 U15.B8 U15.C1 U15.D1 U15.E9 U15.F1 U15.L3 U15.L9 U15.M1 U15.N1 U15.P3 U15.P8 U15.R3 U16.D1 U16.E6 U17.4 U18.1 U19.1 U20.A1 U20.A3 U20.A4 U20.A5 U20.C1 U20.D6 U20.E2 U20.E7 U20.E8 U20.F7 U20.G5 U20.H9 U21.8 U21.23 U21.35 U21.47 U22.8 U22.23 U22.35 U22.47 U23.2 U24.2 U24.5 U25.5 X1.2 X1.4 X3.2
VBUS_FS1: C47.1 CN6.54 CN13.1 D5.6 D9.1 JP20.3 R106.1 R265.2 U11.1
VBUS_FS2: CN14.1 D7.6 D10.1 JP20.5 R136.1 R263.1 SB22.1
VBUS_HS: CN8.1 D3.A1 D8.1 JP20.1 L2.2
VDD_MCU: C104.1 C106.1 C107.1 C110.1 C111.1 C113.1 C114.1 C115.1 C118.1 C119.1 C120.1 C121.1 C122.1 C123.1 C124.1 C125.1 C126.1 C127.1 C128.1 C129.1 C130.1 JP2.2 L7.1 U4.E7 U4.E8 U4.E9 U4.E10 U4.F4 U4.F5 U4.F11 U4.G5 U4.G11 U4.H5 U4.H11 U4.J5 U4.J11 U4.K5 U4.K11 U4.L7 U4.L8 U4.L9 U4.L10
VDDA: C109.1 C112.2 L7.2 R33.1 TP7.1 U4.R1
A0: CN11.14 R247.2 U9.E2 U15.G8 U16.A3
A1: CN11.12 R244.2 U9.D2 U15.G9 U16.A4
A2: CN11.8 R243.2 U9.C2 U15.F7 U16.A5
A3: CN11.5 R240.2 U9.A2 U15.F3 U16.B3
A4: CN11.3 R238.2 U9.B2 U15.G1 U16.B4
A5: CN11.1 R237.2 U9.D3 U15.G2 U16.C3
A6: CN10.5 R259.2 U9.C3 U15.G3 U16.C4
A7: CN10.3 R257.2 U9.A3 U15.H1 U16.D4
A8: CN10.4 R260.2 U9.B6 U15.H2 U16.H2
A9: CN10.18 R271.2 U9.A6 U15.J3 U16.H3
A10: CN10.6 R262.2 U9.C6 U15.G7 U16.H4
A11: CN10.7 R261.2 U9.D6 U15.H9 U16.H5
A12: CN10.33 R279.2 U9.B7 U16.G3
A13: CN10.34 R267.2 U9.A7 U16.G4
A14: CN10.28 R280.2 U9.C7 U15.J7 U16.F3
A15: CN10.25 R269.2 U9.D7 U15.H8 U16.F4
A16: CN10.21 R270.1 U9.E7 U16.E4
A17: CN10.23 R281.2 U9.B3 U16.D3
A18: CN10.31 R268.2 U9.C4 U16.H1
A19: CN11.13 R37.2 R38.2 U9.D5 U16.G2
A20: CN11.11 R35.2 R36.2 U9.D4 U16.H6
A21: CN11.4 R21.2 R31.2 U9.C5
A22: CN11.7 R32.2 R34.2 U9.B8
A23: CN11.16 R39.2 R40.2 U9.C8
AIN_1: R180.2 R181.2 U21.10
BOOT0: JP1.2 R4.1 U4.E6
CAMERA_CLK: CN4.20 X3.3
CEC: R44.1 SB14.2 U4.B6
D0: CN10.39 R278.2 U9.E3 U15.R8 U16.B6
D0_N: CN8.2 D4.A1 U8.8
D0_P: CN8.3 D4.A2 U8.7
D1: CN10.38 R266.2 U9.H3 U15.N7 U16.C5
D2: CN11.31 R272.2 U9.E4 U15.R9 U16.C6
D2_P: CN13.3 D5.3 SB66.1
D3: CN11.32 R283.2 U9.H4 U15.N8 U16.D5
D4: CN10.11 R62.2 U9.H5 U15.P9 U16.E5
D5: CN10.14 R54.2 U9.E5 U15.M8 U16.F5
D6: CN10.12 R53.2 U9.H6 U15.M7 U16.F6
D7: CN10.13 R63.2 U9.E6 U15.L8 U16.G6
D8: CN10.16 R55.2 U9.F3 U15.L2 U16.B1
D9: CN10.15 R64.2 U9.G3 U15.M3 U16.C1
D10: CN10.19 R66.2 U9.F4 U15.M2 U16.C2
D11: CN10.20 R56.2 U9.G4 U15.P1 U16.D2
D12: CN10.17 R65.2 U9.F5 U15.N2 U16.E2
D13: CN10.35 R60.2 U9.G6 U15.R1 U16.F2
D14: CN10.37 R69.2 U9.F6 U15.N3 U16.F1
D15: CN10.36 R70.2 U9.G7 U15.R2 U16.G1
D16: CN10.22 R57.1 U15.E8
D17: CN10.26 R58.1 U15.D7
D18: CN10.24 R67.1 U15.D8
D19: CN10.27 R68.1 U15.B9
D20: CN10.32 R59.1 U15.C8
D21: CN11.39 R276.1 U15.A9
D22: CN11.38 R286.1 U15.C7
D23: CN11.36 R285.1 U15.A8
D24: CN11.37 R275.1 U15.A2
D25: CN11.35 R274.1 U15.C3
D26: CN11.33 R273.1 U15.A1
D27: CN11.34 R284.1 U15.C2
D28: CN11.22 R254.1 U15.B1
D29: CN11.18 R250.1 U15.D2
D30: CN11.20 R251.1 U15.D3
D31: CN11.21 R252.1 U15.E2
DSI_CK_N: CN15.5 U4.H13
DSI_CK_P: CN15.3 U4.H12
DSI_D0_N: CN15.11 U4.J13
DSI_D0_P: CN15.9 U4.J12
DSI_D1_N: CN15.17 U4.F13
DSI_D1_P: CN15.15 U4.F12
DSI_VDD12: C30.1 C134.1 C135.1 U4.G13 U4.K12
E5V: C57.1 D11.1 JP20.9 L3.3
I2C1_SCL_C: CN4.13 R229.2 R235.1 T5.2
I2C1_SDA_C: CN4.14 R227.2 R234.1 T4.2
LCD_B0: CN6.27 CN18.21 JP4.1 U4.B10
LCD_B1: CN6.26 CN18.23 JP8.3 U4.B9
LCD_B2: CN6.20 CN18.25 U4.C9
LCD_B3: CN6.22 CN18.27 U4.D10
LCD_B4: CN6.16 CN18.29 U4.D8
LCD_B5: CN6.13 CN18.31 U4.D7
LCD_B6: CN6.12 CN18.33 U4.C6
LCD_B7: CN6.11 CN18.35 U4.C5
LCD_BL_CTRL: CN15.53 CN18.43 SB74.1
LCD_G0: CN18.4 SB8.1
LCD_G1: CN18.6 SB28.1
LCD_G2: CN5.20 CN18.8 R14.2 SB3.2 U4.P3
LCD_G3: CN4.26 CN6.46 CN18.10 R264.2 U4.F14
LCD_G4: CN18.12 SB63.1
LCD_G5: CN18.14 SB61.1
LCD_G6: CN5.2 CN18.16 R122.2 U4.F3
LCD_G7: CN18.18 SB5.1
LCD_INT: CN15.4 CN18.39 U22.27
LCD_R0: CN6.5 CN18.3 SB4.1 U4.G4
LCD_R1: CN5.54 CN18.5 SB13.1 U4.R6
LCD_R2: CN5.58 CN18.7 SB15.1 U4.R7
LCD_R3: CN5.56 CN15.49 CN18.9 U4.P7
LCD_R4: CN5.31 CN18.11 SB59.1 U4.N8
LCD_R5: CN5.34 CN18.13 U4.M9
LCD_R6: CN5.42 CN18.15 U4.M14
LCD_R7: CN5.51 CN11.27 CN18.17 SB20.1 U4.J15
LED_STLINK: R210.1 R211.1 U21.30
LOOP: TP22.1 U22.14
MCO: U21.29
MFX_SWCLK: CN21.3 U22.37
MFX_SWDIO: CN21.1 U22.34
MIC_CLK: CN24.3 CN25.3 JP24.2 SB79.1
MIC_DATA: CN24.1 CN25.1 JP23.2 SB78.2
MIC_VDD: C87.1 C88.1 CN24.4 CN25.4 JP22.2 R191.2 R192.2 U24.1 U25.1
NETB2_2: B2.2 B2.3 C100.2 R217.1 R218.1
NETB3_1: B3.1 C92.2 R197.2 U22.20
NETB3_2: B3.2 C91.2 R196.2 U22.18
NETB3_3: B3.3 C90.2 R195.2 U22.19
NETB3_4: B3.4 C94.2 R199.2 U22.39
NETB3_6: B3.6 C93.2 R198.2 U22.40
NETBT1_1: BT1.1 JP15.3
NETC5_1: C5.1 R6.1 R15.2 U2.1
NETC6_2: C6.2 CN1.31 SB2.2 SB45.1
NETC7_2: C7.2 CN1.27 SB1.2 SB60.1
NETC8_2: C8.2 CN1.33 SB34.1
NETC9_2: C9.2 CN1.34 SB37.1
NETC10_2: C10.2 CN1.29 SB64.1
NETC11_1: C11.1 R7.2 SB67.2
NETC12_2: C12.2 R8.1 SB56.2
NETC13_2: C13.2 R9.1 SB49.2
NETC14_2: C14.2 R10.1 SB42.2
NETC15_1: C15.1 R11.2 R12.1 SB51.2
NETC16_2: C16.2 CN1.1 R13.1 R14.1
NETC17_1: C17.1 SB2.1
NETC18_2: C18.2 SB1.1 SB70.1
NETC20_1: C20.1 R22.1 X2.1
NETC21_1: C21.1 R23.1 X2.2
NETC22_1: C22.1 R20.2 X1.3
NETC24_2: C24.2 R29.1 R30.1
NETC25_1: C25.1 U5.1
NETC25_2: C25.2 U5.2
NETC26_2: C26.2 U5.3
NETC28_1: C28.1 JP12.1 X4.1
NETC29_1: C29.1 U4.E11
NETC31_2: C31.2 R71.2 X4.2
NETC33_1: C33.1 C34.1 C42.1 C43.1 CN8.5 CN8.6 CN8.7 CN8.8 CN8.9 CN8.10 L1.2